# KiCad board panel.kicad_pcb (continued)
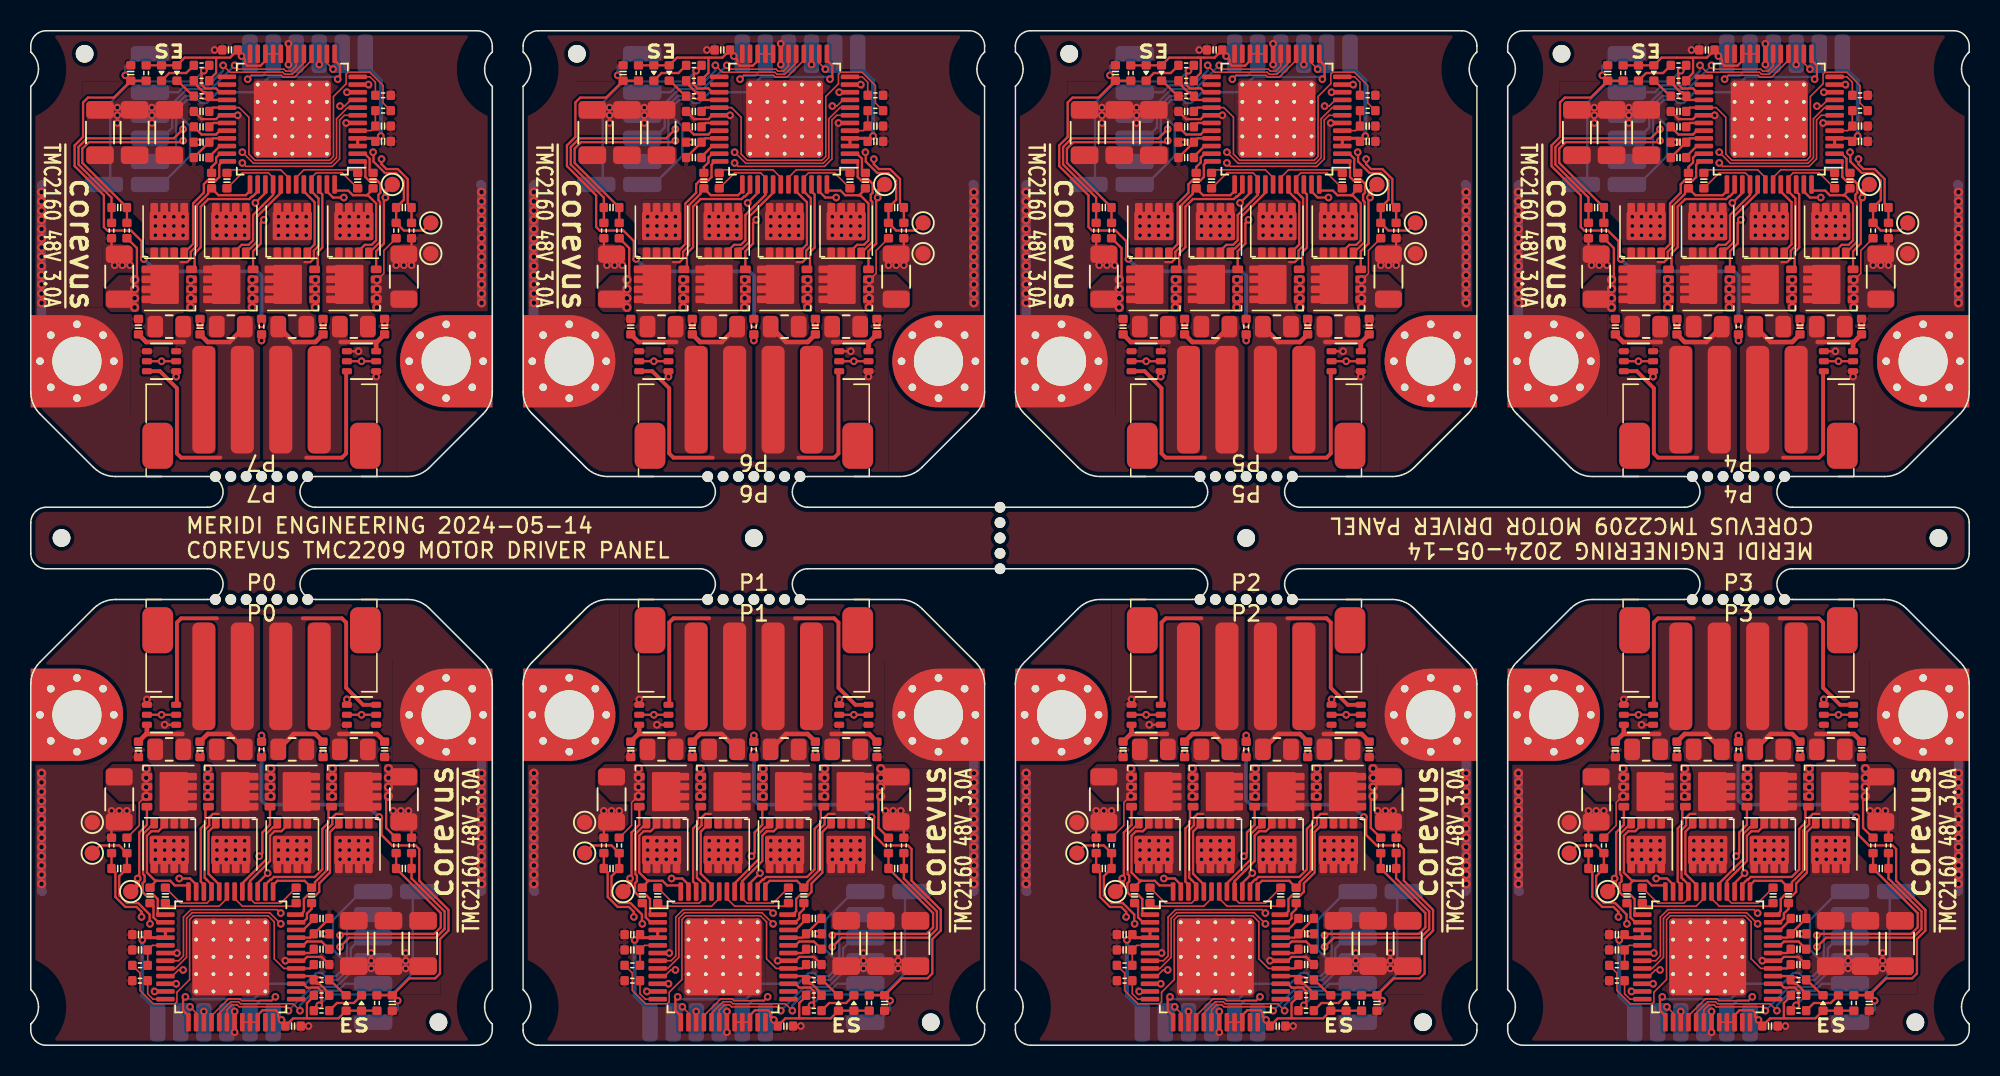
[diagram p0: board, top side]
## Placement (name value [footprint] x y rotation side) (continued)
R20#5  4.7kΩ  [0402R]  22.5 2.75 270 top
R20#6  4.7kΩ  [0402R]  103.5 63.25 90 top
R20#7  4.7kΩ  [0402R]  54.5 2.75 270 top
R20#8  4.7kΩ  [0402R]  118.5 2.75 270 top
T3  12V  [LGA_Land_2.5mm]  85.75 64.5 180 bottom
T3#2  12V  [LGA_Land_2.5mm]  53.75 64.5 180 bottom
T3#3  12V  [LGA_Land_2.5mm]  104.25 1.5 0 bottom
T3#4  12V  [LGA_Land_2.5mm]  21.75 64.5 180 bottom
T3#5  12V  [LGA_Land_2.5mm]  117.75 64.5 180 bottom
T3#6  12V  [LGA_Land_2.5mm]  40.25 1.5 0 bottom
T3#7  12V  [LGA_Land_2.5mm]  8.25 1.5 0 bottom
T3#8  12V  [LGA_Land_2.5mm]  72.25 1.5 0 bottom
T4  SCK  [LGA_Land_2.5mm]  52.25 64.5 180 bottom
T4#2  SCK  [LGA_Land_2.5mm]  105.75 1.5 0 bottom
T4#3  SCK  [LGA_Land_2.5mm]  20.25 64.5 180 bottom
T4#4  SCK  [LGA_Land_2.5mm]  84.25 64.5 180 bottom
T4#5  SCK  [LGA_Land_2.5mm]  116.25 64.5 180 bottom
T4#6  SCK  [LGA_Land_2.5mm]  73.75 1.5 0 bottom
T4#7  SCK  [LGA_Land_2.5mm]  9.75 1.5 0 bottom
T4#8  SCK  [LGA_Land_2.5mm]  41.75 1.5 0 bottom
T5  GND  [LGA_Land_2.5mm]  49.25 64.5 180 bottom
T5#2  GND  [LGA_Land_2.5mm]  17.25 64.5 180 bottom
T5#3  GND  [LGA_Land_2.5mm]  113.25 64.5 180 bottom
T5#4  GND  [LGA_Land_2.5mm]  12.75 1.5 0 bottom
T5#5  GND  [LGA_Land_2.5mm]  81.25 64.5 180 bottom
T5#6  GND  [LGA_Land_2.5mm]  44.75 1.5 0 bottom
T5#7  GND  [LGA_Land_2.5mm]  76.75 1.5 0 bottom
T5#8  GND  [LGA_Land_2.5mm]  108.75 1.5 0 bottom
T6  SDI  [LGA_Land_2.5mm]  50.75 64.5 180 bottom
T6#2  SDI  [LGA_Land_2.5mm]  75.25 1.5 0 bottom
T6#3  SDI  [LGA_Land_2.5mm]  107.25 1.5 0 bottom
T6#4  SDI  [LGA_Land_2.5mm]  18.75 64.5 180 bottom
T6#5  SDI  [LGA_Land_2.5mm]  82.75 64.5 180 bottom
T6#6  SDI  [LGA_Land_2.5mm]  43.25 1.5 0 bottom
T6#7  SDI  [LGA_Land_2.5mm]  11.25 1.5 0 bottom
T6#8  SDI  [LGA_Land_2.5mm]  114.75 64.5 180 bottom
T7  SDO  [LGA_Land_2.5mm]  15.75 64.5 180 bottom
T7#2  SDO  [LGA_Land_2.5mm]  111.75 64.5 180 bottom
T7#3  SDO  [LGA_Land_2.5mm]  46.25 1.5 0 bottom
T7#4  SDO  [LGA_Land_2.5mm]  14.25 1.5 0 bottom
T7#5  SDO  [LGA_Land_2.5mm]  110.25 1.5 0 bottom
T7#6  SDO  [LGA_Land_2.5mm]  79.75 64.5 180 bottom
T7#7  SDO  [LGA_Land_2.5mm]  47.75 64.5 180 bottom
T7#8  SDO  [LGA_Land_2.5mm]  78.25 1.5 0 bottom
T8  VCC  [LGA_Land_2.5mm]  78.25 64.5 180 bottom
T8#2  VCC  [LGA_Land_2.5mm]  46.25 64.5 180 bottom
T8#3  VCC  [LGA_Land_2.5mm]  15.75 1.5 0 bottom
T8#4  VCC  [LGA_Land_2.5mm]  14.25 64.5 180 bottom
T8#5  VCC  [LGA_Land_2.5mm]  79.75 1.5 0 bottom
T8#6  VCC  [LGA_Land_2.5mm]  110.25 64.5 180 bottom
T8#7  VCC  [LGA_Land_2.5mm]  111.75 1.5 0 bottom
T8#8  VCC  [LGA_Land_2.5mm]  47.75 1.5 0 bottom
T9  Therm  [LGA_Land_2.5mm]  118.25 1.5 90 bottom
T9#2  Therm  [LGA_Land_2.5mm]  7.75 64.5 270 bottom
T9#3  Therm  [LGA_Land_2.5mm]  71.75 64.5 270 bottom
T9#4  Therm  [LGA_Land_2.5mm]  103.75 64.5 270 bottom
T9#5  Therm  [LGA_Land_2.5mm]  39.75 64.5 270 bottom
T9#6  Therm  [LGA_Land_2.5mm]  54.25 1.5 90 bottom
T9#7  Therm  [LGA_Land_2.5mm]  86.25 1.5 90 bottom
T9#8  Therm  [LGA_Land_2.5mm]  22.25 1.5 90 bottom
T10  CS0  [LGA_Land_2.5mm]  54.25 10 90 bottom
T10#2  CS0  [LGA_Land_2.5mm]  103.75 56 270 bottom
T10#3  CS0  [LGA_Land_2.5mm]  7.75 56 270 bottom
T10#4  CS0  [LGA_Land_2.5mm]  22.25 10 90 bottom
T10#5  CS0  [LGA_Land_2.5mm]  39.75 56 270 bottom
T10#6  CS0  [LGA_Land_2.5mm]  71.75 56 270 bottom
T10#7  CS0  [LGA_Land_2.5mm]  118.25 10 90 bottom
T10#8  CS0  [LGA_Land_2.5mm]  86.25 10 90 bottom
T11  STEP  [LGA_Land_2.5mm]  71.75 62 270 bottom
T11#2  STEP  [LGA_Land_2.5mm]  22.25 4 90 bottom
T11#3  STEP  [LGA_Land_2.5mm]  39.75 62 270 bottom
T11#4  STEP  [LGA_Land_2.5mm]  118.25 4 90 bottom
T11#5  STEP  [LGA_Land_2.5mm]  54.25 4 90 bottom
T11#6  STEP  [LGA_Land_2.5mm]  103.75 62 270 bottom
T11#7  STEP  [LGA_Land_2.5mm]  7.75 62 270 bottom
T11#8  STEP  [LGA_Land_2.5mm]  86.25 4 90 bottom
T12  GND  [LGA_Land_2.5mm]  103.75 60.5 270 bottom
T12#2  GND  [LGA_Land_2.5mm]  22.25 5.5 90 bottom
T12#3  GND  [LGA_Land_2.5mm]  39.75 60.5 270 bottom
T12#4  GND  [LGA_Land_2.5mm]  7.75 60.5 270 bottom
T12#5  GND  [LGA_Land_2.5mm]  118.25 5.5 90 bottom
T12#6  GND  [LGA_Land_2.5mm]  71.75 60.5 270 bottom
T12#7  GND  [LGA_Land_2.5mm]  54.25 5.5 90 bottom
T12#8  GND  [LGA_Land_2.5mm]  86.25 5.5 90 bottom
T13  DIR  [LGA_Land_2.5mm]  118.25 7 90 bottom
T13#2  DIR  [LGA_Land_2.5mm]  103.75 59 270 bottom
T13#3  DIR  [LGA_Land_2.5mm]  39.75 59 270 bottom
T13#4  DIR  [LGA_Land_2.5mm]  86.25 7 90 bottom
T13#5  DIR  [LGA_Land_2.5mm]  71.75 59 270 bottom
T13#6  DIR  [LGA_Land_2.5mm]  7.75 59 270 bottom
T13#7  DIR  [LGA_Land_2.5mm]  22.25 7 90 bottom
T13#8  DIR  [LGA_Land_2.5mm]  54.25 7 90 bottom
T14  EN  [LGA_Land_2.5mm]  103.75 57.5 270 bottom
T14#2  EN  [LGA_Land_2.5mm]  22.25 8.5 90 bottom
T14#3  EN  [LGA_Land_2.5mm]  7.75 57.5 270 bottom
T14#4  EN  [LGA_Land_2.5mm]  71.75 57.5 270 bottom
T14#5  EN  [LGA_Land_2.5mm]  86.25 8.5 90 bottom
T14#6  EN  [LGA_Land_2.5mm]  39.75 57.5 270 bottom
T14#7  EN  [LGA_Land_2.5mm]  54.25 8.5 90 bottom
T14#8  EN  [LGA_Land_2.5mm]  118.25 8.5 90 bottom
T17  DIAG  [LGA_Land_2.5mm]  57.25 10 270 bottom
T17#2  DIAG  [LGA_Land_2.5mm]  121.25 10 270 bottom
T17#3  DIAG  [LGA_Land_2.5mm]  4.75 56 90 bottom
T17#4  DIAG  [LGA_Land_2.5mm]  36.75 56 90 bottom
T17#5  DIAG  [LGA_Land_2.5mm]  68.75 56 90 bottom
T17#6  DIAG  [LGA_Land_2.5mm]  25.25 10 270 bottom
T17#7  DIAG  [LGA_Land_2.5mm]  89.25 10 270 bottom
T17#8  DIAG  [LGA_Land_2.5mm]  100.75 56 90 bottom
TH1  10kΩ 3950K  [0402R]  111 19.25 90 top
TH1#2  10kΩ 3950K  [0402R]  15 46.75 270 top
TH1#3  10kΩ 3950K  [0402R]  79 46.75 270 top
TH1#4  10kΩ 3950K  [0402R]  111 46.75 270 top
TH1#5  10kΩ 3950K  [0402R]  47 46.75 270 top
TH1#6  10kΩ 3950K  [0402R]  47 19.25 90 top
TH1#7  10kΩ 3950K  [0402R]  15 19.25 90 top
TH1#8  10kΩ 3950K  [0402R]  79 19.25 90 top
TP2  TestPoint  [TestPoint_Pad_D1.0mm]  36 14.5 0 top
TP2#2  TestPoint  [TestPoint_Pad_D1.0mm]  122 51.5 180 top
TP2#3  TestPoint  [TestPoint_Pad_D1.0mm]  68 14.5 0 top
TP2#4  TestPoint  [TestPoint_Pad_D1.0mm]  100 14.5 0 top
TP2#5  TestPoint  [TestPoint_Pad_D1.0mm]  58 51.5 180 top
TP2#6  TestPoint  [TestPoint_Pad_D1.0mm]  90 51.5 180 top
TP2#7  TestPoint  [TestPoint_Pad_D1.0mm]  4 14.5 0 top
TP2#8  TestPoint  [TestPoint_Pad_D1.0mm]  26 51.5 180 top
TP3  TestPoint  [TestPoint_Pad_D1.0mm]  55.5 56 180 top
TP3#2  TestPoint  [TestPoint_Pad_D1.0mm]  70.5 10 0 top
TP3#3  TestPoint  [TestPoint_Pad_D1.0mm]  102.5 10 0 top
TP3#4  TestPoint  [TestPoint_Pad_D1.0mm]  6.5 10 0 top
TP3#5  TestPoint  [TestPoint_Pad_D1.0mm]  87.5 56 180 top
TP3#6  TestPoint  [TestPoint_Pad_D1.0mm]  38.5 10 0 top
TP3#7  TestPoint  [TestPoint_Pad_D1.0mm]  119.5 56 180 top
TP3#8  TestPoint  [TestPoint_Pad_D1.0mm]  23.5 56 180 top
TP4  TestPoint  [TestPoint_Pad_D1.0mm]  90 53.5 180 top
TP4#2  TestPoint  [TestPoint_Pad_D1.0mm]  100 12.5 0 top
TP4#3  TestPoint  [TestPoint_Pad_D1.0mm]  122 53.5 180 top
TP4#4  TestPoint  [TestPoint_Pad_D1.0mm]  36 12.5 0 top
TP4#5  TestPoint  [TestPoint_Pad_D1.0mm]  58 53.5 180 top
TP4#6  TestPoint  [TestPoint_Pad_D1.0mm]  26 53.5 180 top
TP4#7  TestPoint  [TestPoint_Pad_D1.0mm]  4 12.5 0 top
TP4#8  TestPoint  [TestPoint_Pad_D1.0mm]  68 12.5 0 top
U1  TMC2160  [TMCx160]  17 60.25 180 top
U1#2  TMC2160  [TMCx160]  109 5.75 0 top
U1#3  TMC2160  [TMCx160]  77 5.75 0 top
U1#4  TMC2160  [TMCx160]  45 5.75 0 top
U1#5  TMC2160  [TMCx160]  113 60.25 180 top
U1#6  TMC2160  [TMCx160]  49 60.25 180 top
U1#7  TMC2160  [TMCx160]  81 60.25 180 top
U1#8  TMC2160  [TMCx160]  13 5.75 0 top

## Library data of the parts
D3 D3#2-D3#8 D4 D4#2-D4#8 = -: Datasheet: https://assets.nexperia.com/documents/data-sheet/BAV99_SER.pdf; Description: High-speed switching diodes, dual series, SOT-363
FB1 FB1#2-FB1#8 FB2 FB2#2-FB2#8 FB3 FB3#2-FB3#8 FB4 FB4#2-FB4#8 = -: Description: Ferrite bead, small symbol
J1 J1#2-J1#8 = -: Description: Generic connector, single row, 01x04, script generated (kicad-library-utils/schlib/autogen/connector/)
U1 U1#2-U1#8 = -: Datasheet: https://www.trinamic.com/fileadmin/assets/Products/ICs_Documents/TMC2160A-datasheet_Rev1.06.pdf

## Footprints (pads in the part's own frame, mm; a bottom-side part is the same pattern mirrored in y, then rotated)
0402C
  rrect 0.55x0.6 smd: 1(-0.5,0) 2(0.5,0)
0402LED
  rrect 0.55x0.6 smd: 1(-0.5,0) 2(0.5,0)
0402R
  rrect 0.55x0.6 smd: 1(-0.5,0) 2(0.5,0)
C_1206_3216Metric
  rrect 1.15x1.8 smd: 1(-1.475,0) 2(1.475,0)
LGA_Land_2.5mm
  rrect 1x2.5 smd: 1(0,0)
MOSFET_DFN8
  rrect 0.5x0.7 smd: 1(-0.975,-1.45) 2(-0.325,-1.45) 3(0.325,-1.45) 4(0.975,-1.45) 5(0.975,1.45) 6(0.325,1.45) 7(-0.325,1.45) 8(-0.975,1.45)
  rrect 2.55x1.85 smd: 8(0,0.3)
MountingHole_M3_Driver
  round 0.8 hole 0.5: 1(-2.4,0) 1(-1.697,1.697) 1(-1.697,-1.697) 1(0,2.4) 1(0,-2.4) 1(1.697,1.697) 1(1.697,-1.697) 1(2.4,0)
  custom 6x6 hole 3.2: 1(0,0)
NPTH
  round 0.7 hole 0.7 unplated: (0,0)
R_0805_2012Metric
  rrect 1.025x1.4 smd: 1(-0.912,0) 2(0.912,0)
R_1206_3216Metric
  rrect 1.125x1.75 smd: 1(-1.462,0) 2(1.462,0)
SOT-363_SC-70-6
  rrect 0.65x0.4 smd: 1(-0.95,0.65) 2(-0.95,0) 3(-0.95,-0.65) 4(0.95,-0.65) 5(0.95,0) 6(0.95,0.65)
TestPoint_Pad_D1.0mm
  round 1 smd: 1(0,0)
TMCx160
  custom 1.008x1.008 smd: (-1.688,1.688) (-1.688,0.562) (-1.688,-0.562) (-1.688,-1.688) (-0.562,1.688) (-0.562,0.562) (-0.562,-0.562) (-0.562,-1.688) (0.562,1.688) (0.562,0.562) (0.562,-0.562) (0.562,-1.688) (1.688,1.688) (1.688,0.562) (1.688,-0.562) (1.688,-1.688)
  rrect 1.2x0.3 smd: 1(-4.25,2.75) 2(-4.25,2.25) 3(-4.25,1.75) 4(-4.25,1.25) 5(-4.25,0.75) 6(-4.25,0.25) 7(-4.25,-0.25) 8(-4.25,-0.75) 9(-4.25,-1.25) 10(-4.25,-1.75) 11(-4.25,-2.25) 12(-4.25,-2.75) 25(4.25,-2.75) 26(4.25,-2.25) 27(4.25,-1.75) 28(4.25,-1.25) 29(4.25,-0.75) 30(4.25,-0.25) 31(4.25,0.25) 32(4.25,0.75) 33(4.25,1.25) 34(4.25,1.75) 35(4.25,2.25)
  rrect 0.3x1.2 smd: 13(-2.75,-4.25) 14(-2.25,-4.25) 15(-1.75,-4.25) 16(-1.25,-4.25) 17(-0.75,-4.25) 18(-0.25,-4.25) 19(0.25,-4.25) 20(0.75,-4.25) 21(1.25,-4.25) 22(1.75,-4.25) 23(2.25,-4.25) 24(2.75,-4.25) 37(2.75,4.25) 38(2.25,4.25) 39(1.75,4.25) 40(1.25,4.25) 41(0.75,4.25) 42(0.25,4.25) 43(-0.25,4.25) 44(-0.75,4.25) 45(-1.25,4.25) 46(-1.75,4.25) 47(-2.25,4.25) 48(-2.75,4.25)
  rrect 1.1x0.3 smd: 36(4.2,2.75)
  round 0.5 hole 0.25: 49(-2.25,2.25) 49(-2.25,1.125) 49(-2.25,0) 49(-2.25,-1.125) 49(-2.25,-2.25) 49(-1.125,2.25) 49(-1.125,1.125) 49(-1.125,0) 49(-1.125,-1.125) 49(-1.125,-2.25) 49(0,2.25) 49(0,1.125) 49(0,0) 49(0,-1.125) 49(0,-2.25) 49(1.125,2.25) 49(1.125,1.125) 49(1.125,0) 49(1.125,-1.125) 49(1.125,-2.25) 49(2.25,2.25) 49(2.25,1.125) 49(2.25,0) 49(2.25,-1.125) 49(2.25,-2.25)
  rrect 5x5 smd: 49(0,0)
ToolingHole
  round 1.3 hole 1.152 unplated: (0,0)
unnamed
  round 1.3 hole 1.152 unplated: (0,0)
XH_1x04_SMD_Vertical
  rrect 1.5x7 smd: 1(-3.75,1) 2(-1.25,1) 3(1.25,1) 4(3.75,1)
  rrect 2x3 smd: 5(6.75,-2) 6(-6.75,-2)

## Nets
Board_0-+12V: C6#6.1 T3#7.1 U1#8.3 U1#8.4
Board_0-+48V: C1.2 C7.1 C12#6.1 C14#5.1 C15#3.1 D3#7.2 D3#7.5 D4#6.2 D4#6.5 H1#2.1 Q1#4.5 Q1#4.6 Q1#4.7 Q1#4.8 Q3.5 Q3.6 Q3.7 Q3.8 Q5#5.5 Q5#5.6 Q5#5.7 Q5#5.8 Q7#2.5 Q7#2.6 Q7#2.7 Q7#2.8 U1#8.33
Board_0-/A1: C10#5.2 FB2#6.2 Q5#5.1 Q5#5.2 Q5#5.3 Q6#8.5 Q6#8.6 Q6#8.7 Q6#8.8 U1#8.40
Board_0-/A1': C17#2.2 D4#6.6 FB2#6.1 J1.2
Board_0-/A2: C11#7.2 FB1#2.2 Q7#2.1 Q7#2.2 Q7#2.3 Q8#3.5 Q8#3.6 Q8#3.7 Q8#3.8 U1#8.37
Board_0-/A2': C16#4.2 D4#6.3 FB1#2.1 J1.1
Board_0-/B1: C8#8.2 FB4#6.2 Q1#4.1 Q1#4.2 Q1#4.3 Q2#4.5 Q2#4.6 Q2#4.7 Q2#4.8 U1#8.48
Board_0-/B1': C19#8.2 D3#7.3 FB4#6.1 J1.4
Board_0-/B2: C9.2 FB3#3.2 Q3.1 Q3.2 Q3.3 Q4#6.5 Q4#6.6 Q4#6.7 Q4#6.8 U1#8.45
Board_0-/B2': C18.2 D3#7.6 FB3#3.1 J1.3
Board_0-/Clk: R3.1 U1#8.12
Board_0-/Diag0: U1#8.26
Board_0-/Diag1: R16#4.2 T17#6.1 U1#8.27
Board_0-/Dir: T13#7.1 U1#8.18
Board_0-/HA1: Q5#5.4 U1#8.41
Board_0-/HA2: Q7#2.4 U1#8.36
Board_0-/HB1: Q1#4.4 U1#8.1
Board_0-/HB2: Q3.4 U1#8.44
Board_0-/LA1: Q6#8.4 U1#8.39
Board_0-/LA2: Q8#3.4 U1#8.38
Board_0-/LB1: Q2#4.4 TP3#4.1 U1#8.47
Board_0-/LB2: Q4#6.4 U1#8.46
Board_0-/SCK: T4#7.1 U1#8.14
Board_0-/SDI: T6#7.1 U1#8.15
Board_0-/SDO: T7#4.1 U1#8.16
Board_0-/SRAH: C21#8.2 R11#7.2 U1#8.8
Board_0-/SRAL: C21#8.1 R12#6.2 U1#8.7
Board_0-/SRBH: C20#7.2 R8#6.2 TP4#7.1 U1#8.9
Board_0-/SRBL: C20#7.1 R9#4.2 U1#8.10
Board_0-/Step: T11#2.1 U1#8.17
Board_0-/THERM: C13#2.1 R20#5.1 T9#8.1 TH1#7.1
Board_0-/~{CS}: T10#4.1 U1#8.13
Board_0-/~{En}: R1.2 R2#8.2 T14#2.1 U1#8.28
Board_0-GND: C3#5.1 C4#5.1 C5#2.1 C6#6.2 C7.2 C12#6.2 C13#2.2 C14#5.2 C15#3.2 C16#4.1 C17#2.1 C18.1 C19#8.1 D3#7.1 D3#7.4 D4#6.1 D4#6.4 H2.1 R3.2 R9#4.1 R10.2 R12#6.1 R13#3.2 T5#4.1 T12#2.1 TH1#7.2 TP2#7.1 U1#8.6 U1#8.11 U1#8.19 U1#8.30 U1#8.49
Board_0-Net-(D1-K): D1.1 R1.1
Board_0-Net-(D2-K): D2#8.1 R16#4.1
Board_0-Net-(Q2-S-Pad1): Q2#4.1 Q2#4.2 Q2#4.3 Q4#6.1 Q4#6.2 Q4#6.3 R8#6.1 R10.1
Board_0-Net-(Q6-S-Pad1): Q6#8.1 Q6#8.2 Q6#8.3 Q8#3.1 Q8#3.2 Q8#3.3 R11#7.1 R13#3.1
Board_0-Net-(U1-5VOUT): C4#5.2 R4#6.1 U1#8.5
Board_0-Net-(U1-CA1): C10#5.1 U1#8.42
Board_0-Net-(U1-CA2): C11#7.1 U1#8.35
Board_0-Net-(U1-CB1): C8#8.1 U1#8.2
Board_0-Net-(U1-CB2): C9.1 U1#8.43
Board_0-Net-(U1-CPI): C2#7.2 U1#8.32
Board_0-Net-(U1-CPO): C2#7.1 U1#8.31
Board_0-Net-(U1-VCC): C5#2.2 R4#6.2 U1#8.29
Board_0-Net-(U1-VCP): C1.1 U1#8.34
Board_0-unconnected-(U1-DCEN_CFG4-Pad23): U1#8.23
Board_0-unconnected-(U1-DCIN_CFG5-Pad24): U1#8.24
Board_0-unconnected-(U1-DCO_CFG6-Pad25): U1#8.25
Board_0-VCC: C3#5.2 D1.2 D2#8.2 R2#8.1 R20#5.2 T8#3.1 U1#8.20 U1#8.21 U1#8.22
Board_1-+12V: C6#5.1 T3#6.1 U1#4.3 U1#4.4
Board_1-+48V: C1#8.2 C7#7.1 C12#3.1 C14#3.1 C15#8.1 D3#5.2 D3#5.5 D4#7.2 D4#7.5 H1#7.1 Q1#6.5 Q1#6.6 Q1#6.7 Q1#6.8 Q3#2.5 Q3#2.6 Q3#2.7 Q3#2.8 Q5#2.5 Q5#2.6 Q5#2.7 Q5#2.8 Q7#8.5 Q7#8.6 Q7#8.7 Q7#8.8 U1#4.33
Board_1-/A1: C10#3.2 FB2#7.2 Q5#2.1 Q5#2.2 Q5#2.3 Q6#7.5 Q6#7.6 Q6#7.7 Q6#7.8 U1#4.40
Board_1-/A1': C17#8.2 D4#7.6 FB2#7.1 J1#5.2
Board_1-/A2: C11.2 FB1#8.2 Q7#8.1 Q7#8.2 Q7#8.3 Q8#8.5 Q8#8.6 Q8#8.7 Q8#8.8 U1#4.37
Board_1-/A2': C16#8.2 D4#7.3 FB1#8.1 J1#5.1
Board_1-/B1: C8#3.2 FB4#5.2 Q1#6.1 Q1#6.2 Q1#6.3 Q2#3.5 Q2#3.6 Q2#3.7 Q2#3.8 U1#4.48
Board_1-/B1': C19.2 D3#5.3 FB4#5.1 J1#5.4
Board_1-/B2: C9#4.2 FB3.2 Q3#2.1 Q3#2.2 Q3#2.3 Q4#4.5 Q4#4.6 Q4#4.7 Q4#4.8 U1#4.45
Board_1-/B2': C18#8.2 D3#5.6 FB3.1 J1#5.3
Board_1-/Clk: R3#5.1 U1#4.12
Board_1-/Diag0: U1#4.26
Board_1-/Diag1: R16#6.2 T17.1 U1#4.27
Board_1-/Dir: T13#8.1 U1#4.18
Board_1-/HA1: Q5#2.4 U1#4.41
Board_1-/HA2: Q7#8.4 U1#4.36
Board_1-/HB1: Q1#6.4 U1#4.1
Board_1-/HB2: Q3#2.4 U1#4.44
Board_1-/LA1: Q6#7.4 U1#4.39
Board_1-/LA2: Q8#8.4 U1#4.38
Board_1-/LB1: Q2#3.4 TP3#6.1 U1#4.47
Board_1-/LB2: Q4#4.4 U1#4.46
Board_1-/SCK: T4#8.1 U1#4.14
Board_1-/SDI: T6#6.1 U1#4.15
Board_1-/SDO: T7#3.1 U1#4.16
Board_1-/SRAH: C21#2.2 R11#5.2 U1#4.8
Board_1-/SRAL: C21#2.1 R12#7.2 U1#4.7
Board_1-/SRBH: C20#6.2 R8.2 TP4#4.1 U1#4.9
Board_1-/SRBL: C20#6.1 R9#7.2 U1#4.10
Board_1-/Step: T11#5.1 U1#4.17
Board_1-/THERM: C13.1 R20#7.1 T9#6.1 TH1#6.1
Board_1-/~{CS}: T10.1 U1#4.13
Board_1-/~{En}: R1#8.2 R2.2 T14#7.1 U1#4.28
Board_1-GND: C3#4.1 C4#6.1 C5.1 C6#5.2 C7#7.2 C12#3.2 C13.2 C14#3.2 C15#8.2 C16#8.1 C17#8.1 C18#8.1 C19.1 D3#5.1 D3#5.4 D4#7.1 D4#7.4 H2#4.1 R3#5.2 R9#7.1 R10#7.2 R12#7.1 R13#5.2 T5#6.1 T12#7.1 TH1#6.2 TP2.1 U1#4.6 U1#4.11 U1#4.19 U1#4.30 U1#4.49
Board_1-Net-(D1-K): D1#4.1 R1#8.1
Board_1-Net-(D2-K): D2#5.1 R16#6.1
Board_1-Net-(Q2-S-Pad1): Q2#3.1 Q2#3.2 Q2#3.3 Q4#4.1 Q4#4.2 Q4#4.3 R8.1 R10#7.1
Board_1-Net-(Q6-S-Pad1): Q6#7.1 Q6#7.2 Q6#7.3 Q8#8.1 Q8#8.2 Q8#8.3 R11#5.1 R13#5.1
Board_1-Net-(U1-5VOUT): C4#6.2 R4#8.1 U1#4.5
Board_1-Net-(U1-CA1): C10#3.1 U1#4.42
Board_1-Net-(U1-CA2): C11.1 U1#4.35
Board_1-Net-(U1-CB1): C8#3.1 U1#4.2
Board_1-Net-(U1-CB2): C9#4.1 U1#4.43
Board_1-Net-(U1-CPI): C2#6.2 U1#4.32
Board_1-Net-(U1-CPO): C2#6.1 U1#4.31
Board_1-Net-(U1-VCC): C5.2 R4#8.2 U1#4.29
Board_1-Net-(U1-VCP): C1#8.1 U1#4.34
Board_1-unconnected-(U1-DCEN_CFG4-Pad23): U1#4.23
Board_1-unconnected-(U1-DCIN_CFG5-Pad24): U1#4.24
Board_1-unconnected-(U1-DCO_CFG6-Pad25): U1#4.25
Board_1-VCC: C3#4.2 D1#4.2 D2#5.2 R2.1 R20#7.2 T8#8.1 U1#4.20 U1#4.21 U1#4.22
Board_2-+12V: C6#4.1 T3#8.1 U1#3.3 U1#3.4
Board_2-+48V: C1#4.2 C7#5.1 C12#8.1 C14#7.1 C15#7.1 D3#8.2 D3#8.5 D4.2 D4.5 H1#8.1 Q1#8.5 Q1#8.6 Q1#8.7 Q1#8.8 Q3#3.5 Q3#3.6 Q3#3.7 Q3#3.8 Q5#6.5 Q5#6.6 Q5#6.7 Q5#6.8 Q7#4.5 Q7#4.6 Q7#4.7 Q7#4.8 U1#3.33
Board_2-/A1: C10#8.2 FB2#3.2 Q5#6.1 Q5#6.2 Q5#6.3 Q6#4.5 Q6#4.6 Q6#4.7 Q6#4.8 U1#3.40
Board_2-/A1': C17#4.2 D4.6 FB2#3.1 J1#4.2
Board_2-/A2: C11#4.2 FB1#3.2 Q7#4.1 Q7#4.2 Q7#4.3 Q8.5 Q8.6 Q8.7 Q8.8 U1#3.37
Board_2-/A2': C16#2.2 D4.3 FB1#3.1 J1#4.1
Board_2-/B1: C8#2.2 FB4#7.2 Q1#8.1 Q1#8.2 Q1#8.3 Q2#6.5 Q2#6.6 Q2#6.7 Q2#6.8 U1#3.48
Board_2-/B1': C19#6.2 D3#8.3 FB4#7.1 J1#4.4
Board_2-/B2: C9#8.2 FB3#8.2 Q3#3.1 Q3#3.2 Q3#3.3 Q4.5 Q4.6 Q4.7 Q4.8 U1#3.45
Board_2-/B2': C18#7.2 D3#8.6 FB3#8.1 J1#4.3
Board_2-/Clk: R3#3.1 U1#3.12
Board_2-/Diag0: U1#3.26
Board_2-/Diag1: R16#3.2 T17#7.1 U1#3.27
Board_2-/Dir: T13#4.1 U1#3.18
Board_2-/HA1: Q5#6.4 U1#3.41
Board_2-/HA2: Q7#4.4 U1#3.36
Board_2-/HB1: Q1#8.4 U1#3.1
Board_2-/HB2: Q3#3.4 U1#3.44
Board_2-/LA1: Q6#4.4 U1#3.39
Board_2-/LA2: Q8.4 U1#3.38
Board_2-/LB1: Q2#6.4 TP3#2.1 U1#3.47
Board_2-/LB2: Q4.4 U1#3.46
Board_2-/SCK: T4#6.1 U1#3.14
Board_2-/SDI: T6#2.1 U1#3.15
Board_2-/SDO: T7#8.1 U1#3.16
Board_2-/SRAH: C21#3.2 R11#2.2 U1#3.8
Board_2-/SRAL: C21#3.1 R12#2.2 U1#3.7
Board_2-/SRBH: C20#3.2 R8#8.2 TP4#8.1 U1#3.9
Board_2-/SRBL: C20#3.1 R9#6.2 U1#3.10
Board_2-/Step: T11#8.1 U1#3.17
Board_2-/THERM: C13#3.1 R20#2.1 T9#7.1 TH1#8.1
Board_2-/~{CS}: T10#8.1 U1#3.13
Board_2-/~{En}: R1#6.2 R2#4.2 T14#5.1 U1#3.28
Board_2-GND: C3#6.1 C4#2.1 C5#3.1 C6#4.2 C7#5.2 C12#8.2 C13#3.2 C14#7.2 C15#7.2 C16#2.1 C17#4.1 C18#7.1 C19#6.1 D3#8.1 D3#8.4 D4.1 D4.4 H2#6.1 R3#3.2 R9#6.1 R10#3.2 R12#2.1 R13#2.2 T5#7.1 T12#8.1 TH1#8.2 TP2#3.1 U1#3.6 U1#3.11 U1#3.19 U1#3.30 U1#3.49
Board_2-Net-(D1-K): D1#2.1 R1#6.1
Board_2-Net-(D2-K): D2#2.1 R16#3.1
Board_2-Net-(Q2-S-Pad1): Q2#6.1 Q2#6.2 Q2#6.3 Q4.1 Q4.2 Q4.3 R8#8.1 R10#3.1
Board_2-Net-(Q6-S-Pad1): Q6#4.1 Q6#4.2 Q6#4.3 Q8.1 Q8.2 Q8.3 R11#2.1 R13#2.1
Board_2-Net-(U1-5VOUT): C4#2.2 R4#3.1 U1#3.5
Board_2-Net-(U1-CA1): C10#8.1 U1#3.42
Board_2-Net-(U1-CA2): C11#4.1 U1#3.35
Board_2-Net-(U1-CB1): C8#2.1 U1#3.2
Board_2-Net-(U1-CB2): C9#8.1 U1#3.43
Board_2-Net-(U1-CPI): C2#4.2 U1#3.32
Board_2-Net-(U1-CPO): C2#4.1 U1#3.31
Board_2-Net-(U1-VCC): C5#3.2 R4#3.2 U1#3.29
Board_2-Net-(U1-VCP): C1#4.1 U1#3.34
Board_2-unconnected-(U1-DCEN_CFG4-Pad23): U1#3.23
Board_2-unconnected-(U1-DCIN_CFG5-Pad24): U1#3.24
Board_2-unconnected-(U1-DCO_CFG6-Pad25): U1#3.25
Board_2-VCC: C3#6.2 D1#2.2 D2#2.2 R2#4.1 R20#2.2 T8#5.1 U1#3.20 U1#3.21 U1#3.22
Board_3-+12V: C6.1 T3#3.1 U1#2.3 U1#2.4
Board_3-+48V: C1#7.2 C7#6.1 C12#2.1 C14#6.1 C15#5.1 D3#3.2 D3#3.5 D4#4.2 D4#4.5 H1#5.1 Q1#7.5 Q1#7.6 Q1#7.7 Q1#7.8 Q3#7.5 Q3#7.6 Q3#7.7 Q3#7.8 Q5#4.5 Q5#4.6 Q5#4.7 Q5#4.8 Q7#6.5 Q7#6.6 Q7#6.7 Q7#6.8 U1#2.33
Board_3-/A1: C10#7.2 FB2.2 Q5#4.1 Q5#4.2 Q5#4.3 Q6#2.5 Q6#2.6 Q6#2.7 Q6#2.8 U1#2.40
Board_3-/A1': C17#7.2 D4#4.6 FB2.1 J1#7.2
Board_3-/A2: C11#2.2 FB1#6.2 Q7#6.1 Q7#6.2 Q7#6.3 Q8#6.5 Q8#6.6 Q8#6.7 Q8#6.8 U1#2.37
Board_3-/A2': C16#7.2 D4#4.3 FB1#6.1 J1#7.1
Board_3-/B1: C8#6.2 FB4#3.2 Q1#7.1 Q1#7.2 Q1#7.3 Q2#2.5 Q2#2.6 Q2#2.7 Q2#2.8 U1#2.48
Board_3-/B1': C19#3.2 D3#3.3 FB4#3.1 J1#7.4
Board_3-/B2: C9#7.2 FB3#6.2 Q3#7.1 Q3#7.2 Q3#7.3 Q4#3.5 Q4#3.6 Q4#3.7 Q4#3.8 U1#2.45
Board_3-/B2': C18#2.2 D3#3.6 FB3#6.1 J1#7.3
Board_3-/Clk: R3#7.1 U1#2.12
Board_3-/Diag0: U1#2.26
Board_3-/Diag1: R16#2.2 T17#2.1 U1#2.27
Board_3-/Dir: T13.1 U1#2.18
Board_3-/HA1: Q5#4.4 U1#2.41
Board_3-/HA2: Q7#6.4 U1#2.36
Board_3-/HB1: Q1#7.4 U1#2.1
Board_3-/HB2: Q3#7.4 U1#2.44
Board_3-/LA1: Q6#2.4 U1#2.39
Board_3-/LA2: Q8#6.4 U1#2.38
Board_3-/LB1: Q2#2.4 TP3#3.1 U1#2.47
Board_3-/LB2: Q4#3.4 U1#2.46
Board_3-/SCK: T4#2.1 U1#2.14
Board_3-/SDI: T6#3.1 U1#2.15
Board_3-/SDO: T7#5.1 U1#2.16
Board_3-/SRAH: C21#6.2 R11#3.2 U1#2.8
Board_3-/SRAL: C21#6.1 R12#8.2 U1#2.7
Board_3-/SRBH: C20#4.2 R8#4.2 TP4#2.1 U1#2.9
Board_3-/SRBL: C20#4.1 R9#8.2 U1#2.10
Board_3-/Step: T11#4.1 U1#2.17
Board_3-/THERM: C13#4.1 R20#8.1 T9.1 TH1.1
Board_3-/~{CS}: T10#7.1 U1#2.13
Board_3-/~{En}: R1#5.2 R2#3.2 T14#8.1 U1#2.28
Board_3-GND: C3#8.1 C4#4.1 C5#8.1 C6.2 C7#6.2 C12#2.2 C13#4.2 C14#6.2 C15#5.2 C16#7.1 C17#7.1 C18#2.1 C19#3.1 D3#3.1 D3#3.4 D4#4.1 D4#4.4 H2#2.1 R3#7.2 R9#8.1 R10#6.2 R12#8.1 R13#7.2 T5#8.1 T12#5.1 TH1.2 TP2#4.1 U1#2.6 U1#2.11 U1#2.19 U1#2.30 U1#2.49
Board_3-Net-(D1-K): D1#3.1 R1#5.1
Board_3-Net-(D2-K): D2#3.1 R16#2.1
Board_3-Net-(Q2-S-Pad1): Q2#2.1 Q2#2.2 Q2#2.3 Q4#3.1 Q4#3.2 Q4#3.3 R8#4.1 R10#6.1
Board_3-Net-(Q6-S-Pad1): Q6#2.1 Q6#2.2 Q6#2.3 Q8#6.1 Q8#6.2 Q8#6.3 R11#3.1 R13#7.1
Board_3-Net-(U1-5VOUT): C4#4.2 R4#2.1 U1#2.5
Board_3-Net-(U1-CA1): C10#7.1 U1#2.42
Board_3-Net-(U1-CA2): C11#2.1 U1#2.35
Board_3-Net-(U1-CB1): C8#6.1 U1#2.2
Board_3-Net-(U1-CB2): C9#7.1 U1#2.43
Board_3-Net-(U1-CPI): C2#8.2 U1#2.32
Board_3-Net-(U1-CPO): C2#8.1 U1#2.31
Board_3-Net-(U1-VCC): C5#8.2 R4#2.2 U1#2.29
Board_3-Net-(U1-VCP): C1#7.1 U1#2.34
Board_3-unconnected-(U1-DCEN_CFG4-Pad23): U1#2.23
Board_3-unconnected-(U1-DCIN_CFG5-Pad24): U1#2.24
Board_3-unconnected-(U1-DCO_CFG6-Pad25): U1#2.25
Board_3-VCC: C3#8.2 D1#3.2 D2#3.2 R2#3.1 R20#8.2 T8#7.1 U1#2.20 U1#2.21 U1#2.22
Board_4-+12V: C6#3.1 T3#5.1 U1#5.3 U1#5.4
Board_4-+48V: C1#5.2 C7#4.1 C12#5.1 C14#8.1 C15#4.1 D3#2.2 D3#2.5 D4#8.2 D4#8.5 H1#4.1 Q1#3.5 Q1#3.6 Q1#3.7 Q1#3.8 Q3#5.5 Q3#5.6 Q3#5.7 Q3#5.8 Q5#7.5 Q5#7.6 Q5#7.7 Q5#7.8 Q7#5.5 Q7#5.6 Q7#5.7 Q7#5.8 U1#5.33
Board_4-/A1: C10#2.2 FB2#8.2 Q5#7.1 Q5#7.2 Q5#7.3 Q6#3.5 Q6#3.6 Q6#3.7 Q6#3.8 U1#5.40
Board_4-/A1': C17#5.2 D4#8.6 FB2#8.1 J1#6.2
Board_4-/A2: C11#5.2 FB1#7.2 Q7#5.1 Q7#5.2 Q7#5.3 Q8#2.5 Q8#2.6 Q8#2.7 Q8#2.8 U1#5.37
Board_4-/A2': C16#6.2 D4#8.3 FB1#7.1 J1#6.1
Board_4-/B1: C8#5.2 FB4.2 Q1#3.1 Q1#3.2 Q1#3.3 Q2#7.5 Q2#7.6 Q2#7.7 Q2#7.8 U1#5.48
Board_4-/B1': C19#7.2 D3#2.3 FB4.1 J1#6.4
Board_4-/B2: C9#6.2 FB3#4.2 Q3#5.1 Q3#5.2 Q3#5.3 Q4#5.5 Q4#5.6 Q4#5.7 Q4#5.8 U1#5.45
Board_4-/B2': C18#4.2 D3#2.6 FB3#4.1 J1#6.3
Board_4-/Clk: R3#6.1 U1#5.12
Board_4-/Diag0: U1#5.26
Board_4-/Diag1: R16#7.2 T17#8.1 U1#5.27
Board_4-/Dir: T13#2.1 U1#5.18
Board_4-/HA1: Q5#7.4 U1#5.41
Board_4-/HA2: Q7#5.4 U1#5.36
Board_4-/HB1: Q1#3.4 U1#5.1
Board_4-/HB2: Q3#5.4 U1#5.44
Board_4-/LA1: Q6#3.4 U1#5.39
Board_4-/LA2: Q8#2.4 U1#5.38
Board_4-/LB1: Q2#7.4 TP3#7.1 U1#5.47
Board_4-/LB2: Q4#5.4 U1#5.46
Board_4-/SCK: T4#5.1 U1#5.14
Board_4-/SDI: T6#8.1 U1#5.15
Board_4-/SDO: T7#2.1 U1#5.16
Board_4-/SRAH: C21.2 R11#8.2 U1#5.8
Board_4-/SRAL: C21.1 R12#5.2 U1#5.7
Board_4-/SRBH: C20.2 R8#5.2 TP4#3.1 U1#5.9
Board_4-/SRBL: C20.1 R9.2 U1#5.10
Board_4-/Step: T11#6.1 U1#5.17
Board_4-/THERM: C13#6.1 R20#6.1 T9#4.1 TH1#4.1
Board_4-/~{CS}: T10#2.1 U1#5.13
Board_4-/~{En}: R1#2.2 R2#5.2 T14.1 U1#5.28
Board_4-GND: C3#2.1 C4#8.1 C5#7.1 C6#3.2 C7#4.2 C12#5.2 C13#6.2 C14#8.2 C15#4.2 C16#6.1 C17#5.1 C18#4.1 C19#7.1 D3#2.1 D3#2.4 D4#8.1 D4#8.4 H2#3.1 R3#6.2 R9.1 R10#2.2 R12#5.1 R13#8.2 T5#3.1 T12.1 TH1#4.2 TP2#2.1 U1#5.6 U1#5.11 U1#5.19 U1#5.30 U1#5.49
Board_4-Net-(D1-K): D1#6.1 R1#2.1
Board_4-Net-(D2-K): D2.1 R16#7.1
Board_4-Net-(Q2-S-Pad1): Q2#7.1 Q2#7.2 Q2#7.3 Q4#5.1 Q4#5.2 Q4#5.3 R8#5.1 R10#2.1
Board_4-Net-(Q6-S-Pad1): Q6#3.1 Q6#3.2 Q6#3.3 Q8#2.1 Q8#2.2 Q8#2.3 R11#8.1 R13#8.1
Board_4-Net-(U1-5VOUT): C4#8.2 R4#7.1 U1#5.5
Board_4-Net-(U1-CA1): C10#2.1 U1#5.42
Board_4-Net-(U1-CA2): C11#5.1 U1#5.35
Board_4-Net-(U1-CB1): C8#5.1 U1#5.2
Board_4-Net-(U1-CB2): C9#6.1 U1#5.43
Board_4-Net-(U1-CPI): C2#2.2 U1#5.32
Board_4-Net-(U1-CPO): C2#2.1 U1#5.31
Board_4-Net-(U1-VCC): C5#7.2 R4#7.2 U1#5.29
Board_4-Net-(U1-VCP): C1#5.1 U1#5.34
Board_4-unconnected-(U1-DCEN_CFG4-Pad23): U1#5.23
Board_4-unconnected-(U1-DCIN_CFG5-Pad24): U1#5.24
Board_4-unconnected-(U1-DCO_CFG6-Pad25): U1#5.25
Board_4-VCC: C3#2.2 D1#6.2 D2.2 R2#5.1 R20#6.2 T8#6.1 U1#5.20 U1#5.21 U1#5.22
Board_5-+12V: C6#7.1 T3.1 U1#7.3 U1#7.4
Board_5-+48V: C1#6.2 C7#3.1 C12#7.1 C14#4.1 C15#2.1 D3#6.2 D3#6.5 D4#5.2 D4#5.5 H1#6.1 Q1#5.5 Q1#5.6 Q1#5.7 Q1#5.8 Q3#8.5 Q3#8.6 Q3#8.7 Q3#8.8 Q5#3.5 Q5#3.6 Q5#3.7 Q5#3.8 Q7#3.5 Q7#3.6 Q7#3.7 Q7#3.8 U1#7.33
Board_5-/A1: C10#4.2 FB2#5.2 Q5#3.1 Q5#3.2 Q5#3.3 Q6#5.5 Q6#5.6 Q6#5.7 Q6#5.8 U1#7.40
Board_5-/A1': C17#6.2 D4#5.6 FB2#5.1 J1#8.2
Board_5-/A2: C11#8.2 FB1#4.2 Q7#3.1 Q7#3.2 Q7#3.3 Q8#7.5 Q8#7.6 Q8#7.7 Q8#7.8 U1#7.37
Board_5-/A2': C16#5.2 D4#5.3 FB1#4.1 J1#8.1
Board_5-/B1: C8#7.2 FB4#2.2 Q1#5.1 Q1#5.2 Q1#5.3 Q2.5 Q2.6 Q2.7 Q2.8 U1#7.48
Board_5-/B1': C19#5.2 D3#6.3 FB4#2.1 J1#8.4
Board_5-/B2: C9#5.2 FB3#7.2 Q3#8.1 Q3#8.2 Q3#8.3 Q4#2.5 Q4#2.6 Q4#2.7 Q4#2.8 U1#7.45
Board_5-/B2': C18#6.2 D3#6.6 FB3#7.1 J1#8.3
Board_5-/Clk: R3#8.1 U1#7.12
Board_5-/Diag0: U1#7.26
Board_5-/Diag1: R16.2 T17#5.1 U1#7.27
Board_5-/Dir: T13#5.1 U1#7.18
Board_5-/HA1: Q5#3.4 U1#7.41
Board_5-/HA2: Q7#3.4 U1#7.36
Board_5-/HB1: Q1#5.4 U1#7.1
Board_5-/HB2: Q3#8.4 U1#7.44
Board_5-/LA1: Q6#5.4 U1#7.39
Board_5-/LA2: Q8#7.4 U1#7.38
Board_5-/LB1: Q2.4 TP3#5.1 U1#7.47
Board_5-/LB2: Q4#2.4 U1#7.46
Board_5-/SCK: T4#4.1 U1#7.14
Board_5-/SDI: T6#5.1 U1#7.15
Board_5-/SDO: T7#6.1 U1#7.16
Board_5-/SRAH: C21#4.2 R11#6.2 U1#7.8
Board_5-/SRAL: C21#4.1 R12#3.2 U1#7.7
Board_5-/SRBH: C20#8.2 R8#3.2 TP4.1 U1#7.9
Board_5-/SRBL: C20#8.1 R9#5.2 U1#7.10
Board_5-/Step: T11.1 U1#7.17
Board_5-/THERM: C13#7.1 R20#3.1 T9#3.1 TH1#3.1
Board_5-/~{CS}: T10#6.1 U1#7.13
Board_5-/~{En}: R1#7.2 R2#2.2 T14#4.1 U1#7.28
Board_5-GND: C3.1 C4#3.1 C5#6.1 C6#7.2 C7#3.2 C12#7.2 C13#7.2 C14#4.2 C15#2.2 C16#5.1 C17#6.1 C18#6.1 C19#5.1 D3#6.1 D3#6.4 D4#5.1 D4#5.4 H2#7.1 R3#8.2 R9#5.1 R10#5.2 R12#3.1 R13.2 T5#5.1 T12#6.1 TH1#3.2 TP2#6.1 U1#7.6 U1#7.11 U1#7.19 U1#7.30 U1#7.49
Board_5-Net-(D1-K): D1#7.1 R1#7.1
Board_5-Net-(D2-K): D2#6.1 R16.1
Board_5-Net-(Q2-S-Pad1): Q2.1 Q2.2 Q2.3 Q4#2.1 Q4#2.2 Q4#2.3 R8#3.1 R10#5.1
Board_5-Net-(Q6-S-Pad1): Q6#5.1 Q6#5.2 Q6#5.3 Q8#7.1 Q8#7.2 Q8#7.3 R11#6.1 R13.1
Board_5-Net-(U1-5VOUT): C4#3.2 R4#4.1 U1#7.5
Board_5-Net-(U1-CA1): C10#4.1 U1#7.42
Board_5-Net-(U1-CA2): C11#8.1 U1#7.35
Board_5-Net-(U1-CB1): C8#7.1 U1#7.2
Board_5-Net-(U1-CB2): C9#5.1 U1#7.43
Board_5-Net-(U1-CPI): C2#3.2 U1#7.32
Board_5-Net-(U1-CPO): C2#3.1 U1#7.31
Board_5-Net-(U1-VCC): C5#6.2 R4#4.2 U1#7.29
Board_5-Net-(U1-VCP): C1#6.1 U1#7.34
Board_5-unconnected-(U1-DCEN_CFG4-Pad23): U1#7.23
Board_5-unconnected-(U1-DCIN_CFG5-Pad24): U1#7.24
Board_5-unconnected-(U1-DCO_CFG6-Pad25): U1#7.25
Board_5-VCC: C3.2 D1#7.2 D2#6.2 R2#2.1 R20#3.2 T8.1 U1#7.20 U1#7.21 U1#7.22
Board_6-+12V: C6#2.1 T3#2.1 U1#6.3 U1#6.4
Board_6-+48V: C1#3.2 C7#2.1 C12#4.1 C14.1 C15#6.1 D3.2 D3.5 D4#2.2 D4#2.5 H1.1 Q1#2.5 Q1#2.6 Q1#2.7 Q1#2.8 Q3#6.5 Q3#6.6 Q3#6.7 Q3#6.8 Q5.5 Q5.6 Q5.7 Q5.8 Q7#7.5 Q7#7.6 Q7#7.7 Q7#7.8 U1#6.33
Board_6-/A1: C10#6.2 FB2#2.2 Q5.1 Q5.2 Q5.3 Q6.5 Q6.6 Q6.7 Q6.8 U1#6.40
Board_6-/A1': C17#3.2 D4#2.6 FB2#2.1 J1#2.2
Board_6-/A2: C11#6.2 FB1.2 Q7#7.1 Q7#7.2 Q7#7.3 Q8#5.5 Q8#5.6 Q8#5.7 Q8#5.8 U1#6.37
Board_6-/A2': C16#3.2 D4#2.3 FB1.1 J1#2.1
Board_6-/B1: C8#4.2 FB4#8.2 Q1#2.1 Q1#2.2 Q1#2.3 Q2#5.5 Q2#5.6 Q2#5.7 Q2#5.8 U1#6.48
Board_6-/B1': C19#4.2 D3.3 FB4#8.1 J1#2.4
Board_6-/B2: C9#2.2 FB3#5.2 Q3#6.1 Q3#6.2 Q3#6.3 Q4#7.5 Q4#7.6 Q4#7.7 Q4#7.8 U1#6.45
Board_6-/B2': C18#5.2 D3.6 FB3#5.1 J1#2.3
Board_6-/Clk: R3#4.1 U1#6.12
Board_6-/Diag0: U1#6.26
Board_6-/Diag1: R16#8.2 T17#4.1 U1#6.27
Board_6-/Dir: T13#3.1 U1#6.18
Board_6-/HA1: Q5.4 U1#6.41
Board_6-/HA2: Q7#7.4 U1#6.36
Board_6-/HB1: Q1#2.4 U1#6.1
Board_6-/HB2: Q3#6.4 U1#6.44
Board_6-/LA1: Q6.4 U1#6.39
Board_6-/LA2: Q8#5.4 U1#6.38
Board_6-/LB1: Q2#5.4 TP3.1 U1#6.47
Board_6-/LB2: Q4#7.4 U1#6.46
Board_6-/SCK: T4.1 U1#6.14
Board_6-/SDI: T6.1 U1#6.15
Board_6-/SDO: T7#7.1 U1#6.16
Board_6-/SRAH: C21#5.2 R11.2 U1#6.8
Board_6-/SRAL: C21#5.1 R12#4.2 U1#6.7
Board_6-/SRBH: C20#2.2 R8#2.2 TP4#5.1 U1#6.9
Board_6-/SRBL: C20#2.1 R9#2.2 U1#6.10
Board_6-/Step: T11#3.1 U1#6.17
Board_6-/THERM: C13#8.1 R20.1 T9#5.1 TH1#5.1
Board_6-/~{CS}: T10#5.1 U1#6.13
Board_6-/~{En}: R1#3.2 R2#7.2 T14#6.1 U1#6.28
Board_6-GND: C3#3.1 C4#7.1 C5#5.1 C6#2.2 C7#2.2 C12#4.2 C13#8.2 C14.2 C15#6.2 C16#3.1 C17#3.1 C18#5.1 C19#4.1 D3.1 D3.4 D4#2.1 D4#2.4 H2#5.1 R3#4.2 R9#2.1 R10#8.2 R12#4.1 R13#4.2 T5.1 T12#3.1 TH1#5.2 TP2#5.1 U1#6.6 U1#6.11 U1#6.19 U1#6.30 U1#6.49
Board_6-Net-(D1-K): D1#5.1 R1#3.1
Board_6-Net-(D2-K): D2#7.1 R16#8.1
Board_6-Net-(Q2-S-Pad1): Q2#5.1 Q2#5.2 Q2#5.3 Q4#7.1 Q4#7.2 Q4#7.3 R8#2.1 R10#8.1
Board_6-Net-(Q6-S-Pad1): Q6.1 Q6.2 Q6.3 Q8#5.1 Q8#5.2 Q8#5.3 R11.1 R13#4.1
Board_6-Net-(U1-5VOUT): C4#7.2 R4.1 U1#6.5
Board_6-Net-(U1-CA1): C10#6.1 U1#6.42
Board_6-Net-(U1-CA2): C11#6.1 U1#6.35
Board_6-Net-(U1-CB1): C8#4.1 U1#6.2
Board_6-Net-(U1-CB2): C9#2.1 U1#6.43
Board_6-Net-(U1-CPI): C2#5.2 U1#6.32
Board_6-Net-(U1-CPO): C2#5.1 U1#6.31
Board_6-Net-(U1-VCC): C5#5.2 R4.2 U1#6.29
Board_6-Net-(U1-VCP): C1#3.1 U1#6.34
Board_6-unconnected-(U1-DCEN_CFG4-Pad23): U1#6.23
Board_6-unconnected-(U1-DCIN_CFG5-Pad24): U1#6.24
Board_6-unconnected-(U1-DCO_CFG6-Pad25): U1#6.25
Board_6-VCC: C3#3.2 D1#5.2 D2#7.2 R2#7.1 R20.2 T8#2.1 U1#6.20 U1#6.21 U1#6.22
